# Altium PCB eRTM15_Baikal.PcbDoc (part 6 of 7)
Units mm, origin at the board's own origin, x right, y up, seen from the top; angles counter-clockwise.
Board outline 161.5 x 148.5 mm, 8 copper layers (Top Layer, RF_Layer_1, GND_PWR_Plane, RF_Layer_3, RF_Layer_4, GND_PWR_Plane_2, RF_Layer_6, Bottom Layer), stack 1.462 mm thick; 749 components, 528 nets, 2540 pads, 2420 vias.
Unrouted connection lines stored in the file: 24.
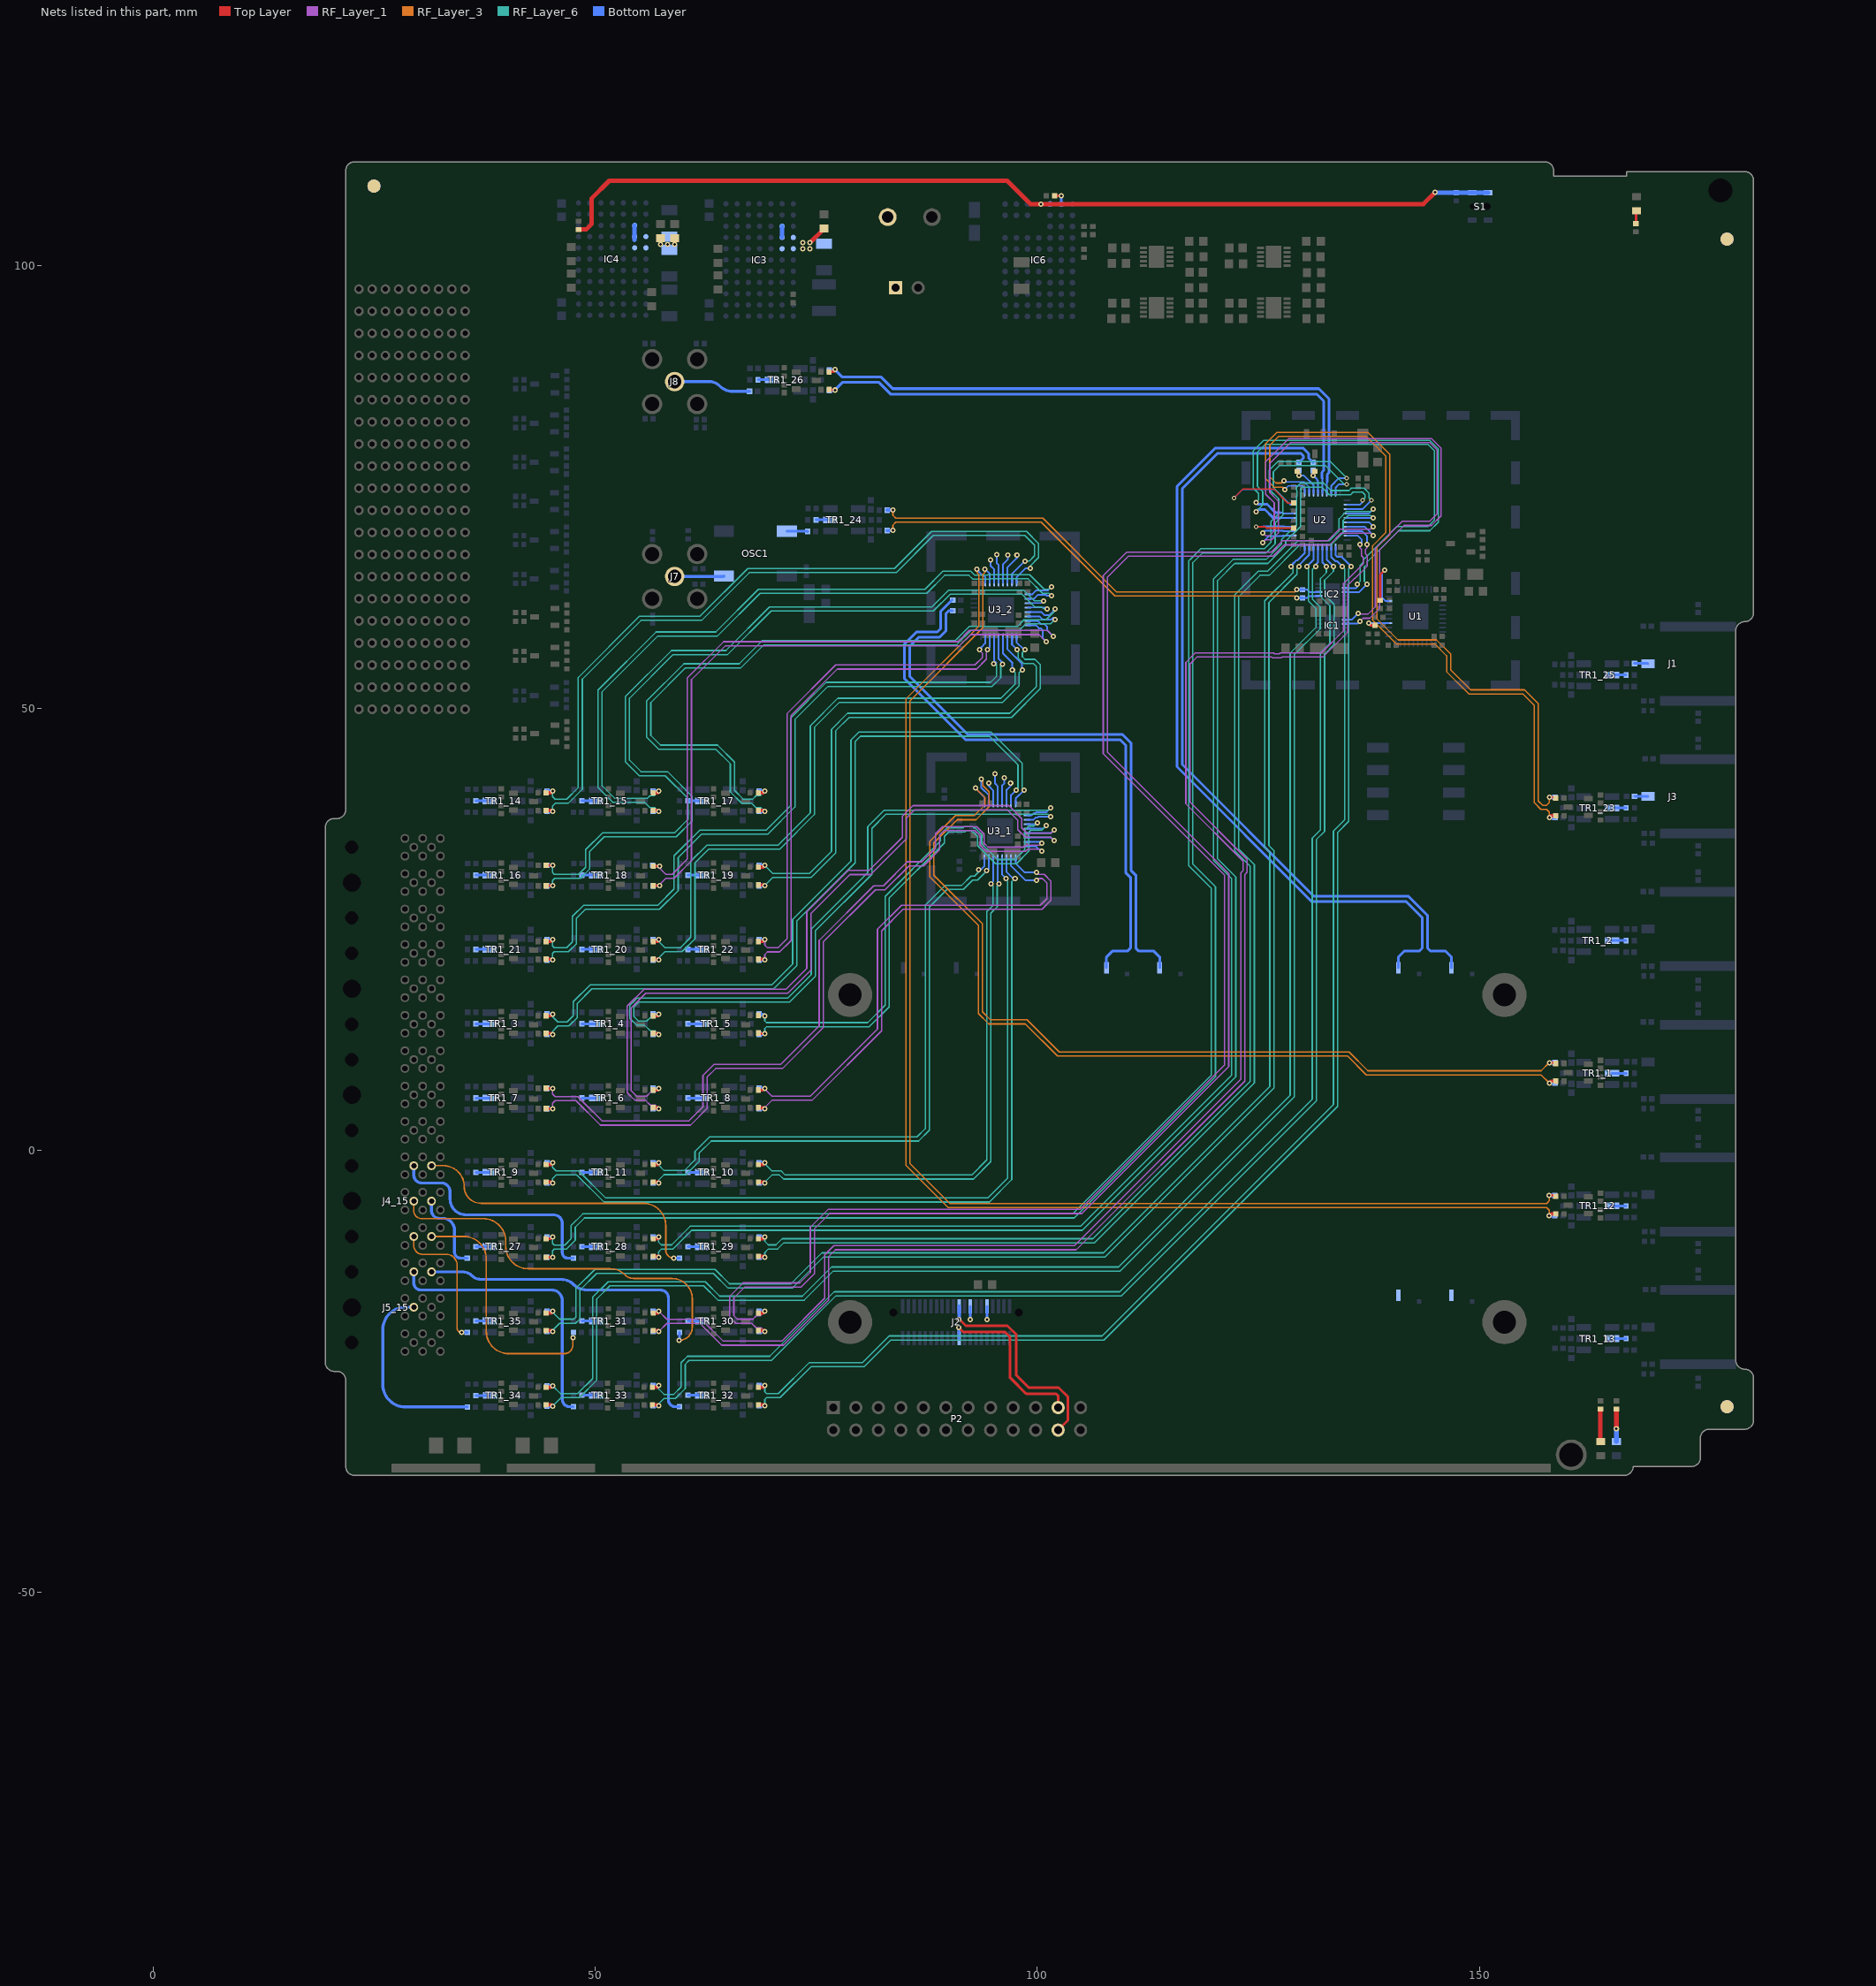
[diagram p12: the nets of this part, all layers, seen from the top]

## Via types
v1: diameter 0.6, hole 0.3, Top Layer to Bottom Layer, 2289 vias
v2: diameter 0.6, hole 0.3, Top Layer to Bottom Layer, tented both sides, 49 vias
v3: diameter 0.5, hole 0.2, Top Layer to Bottom Layer, 36 vias
v4: diameter 0.5, hole 0.3, Top Layer to Bottom Layer, 34 vias
v5: diameter 0.5, hole 0.3, Top Layer to Bottom Layer, tented both sides, 12 vias

## Nets (pads, with @x,y where several pads share a name; then routed paths per layer and width w, separated by ;. In a path a pad name is that pad's centre, name@x,y a point inside that pad or via, vN(x,y) a via of type N, cw(c..) or ccw(c..) an arc to the next point about the centre after c; other vN are vias at no path point) (continued)
NetIC6_L6: IC6.L6 R31.2 | length 1.7
  Top Layer w0.3: R31.2@101.97,107.9 v1(102.7,107.9)
  Bottom Layer w0.3: v1(102.7,107.9) 102.72,107.88 IC6.L6@102.72,106.97
NetJ7_1: J7.1 OSC1.1 | length 5.6
  Bottom Layer w0.33: J7.1@59.003,64.87 64.54,64.87 OSC1.1@64.575,64.905
NetJ17_1: J17.1 P1.1
NetLED0_2: LED0.2 R6.2 | length 1.5
  Top Layer w0.3: R6.2@167.7,104.77 167.7,106.15 LED0.2@167.75,106.2
NetLED1_2: LED1.2 R4.2 | length 3.7
  Top Layer w0.5: v1(165.5,-31.5) R4.2@165.5,-29.27
  Bottom Layer w0.5: LED1.2@165.5,-32.95 v1(165.5,-31.5)
NetLED2_2: LED2.2 R2.2 | length 3.7
  Top Layer w0.5: R2.2@163.7,-29.27 163.7,-32.925 LED2.2@163.725,-32.95
NetR1_1_1: R1_1.1 TR1_1.2 | length 1.6
  Bottom Layer w0.3: TR1_1.2@164.99,8.7 R1_1.1@166.6,8.7
NetR1_2_1: R1_2.1 TR1_2.2 | length 1.6
  Bottom Layer w0.3: TR1_2.2@164.985,23.7 R1_2.1@166.595,23.7
NetR1_3_1: R1_3.1 TR1_3.2 | length 1.6
  Bottom Layer w0.3: R1_3.1@36.505,14.3 TR1_3.2@38.115,14.3
NetR1_4_1: R1_4.1 TR1_4.2 | length 1.6
  Bottom Layer w0.3: R1_4.1@48.505,14.3 TR1_4.2@50.115,14.3
NetR1_5_1: R1_5.1 TR1_5.2 | length 1.6
  Bottom Layer w0.3: R1_5.1@60.505,14.3 TR1_5.2@62.115,14.3
NetR1_6_1: R1_6.1 TR1_6.2 | length 1.6
  Bottom Layer w0.3: R1_6.1@48.505,5.9 TR1_6.2@50.115,5.9
NetR1_7_1: R1_7.1 TR1_7.2 | length 1.6
  Bottom Layer w0.3: R1_7.1@36.505,5.9 TR1_7.2@38.115,5.9
NetR1_8_1: R1_8.1 TR1_8.2 | length 1.6
  Bottom Layer w0.3: R1_8.1@60.505,5.9 TR1_8.2@62.115,5.9
NetR1_9_1: R1_9.1 TR1_9.2 | length 1.6
  Bottom Layer w0.3: R1_9.1@36.505,-2.5 TR1_9.2@38.115,-2.5
NetR1_10_1: R1_10.1 TR1_10.2 | length 1.6
  Bottom Layer w0.3: R1_10.1@60.505,-2.5 TR1_10.2@62.115,-2.5
NetR1_11_1: R1_11.1 TR1_11.2 | length 1.6
  Bottom Layer w0.3: R1_11.1@48.505,-2.5 TR1_11.2@50.115,-2.5
NetR1_12_1: R1_12.1 TR1_12.2 | length 1.6
  Bottom Layer w0.3: TR1_12.2@164.985,-6.3 R1_12.1@166.595,-6.3
NetR1_13_1: R1_13.1 TR1_13.2 | length 1.6
  Bottom Layer w0.3: TR1_13.2@164.99,-21.3 R1_13.1@166.6,-21.3
NetR1_14_1: R1_14.1 TR1_14.2 | length 1.6
  Bottom Layer w0.3: R1_14.1@36.505,39.5 TR1_14.2@38.115,39.5
NetR1_15_1: R1_15.1 TR1_15.2 | length 1.6
  Bottom Layer w0.3: R1_15.1@48.505,39.5 TR1_15.2@50.115,39.5
NetR1_16_1: R1_16.1 TR1_16.2 | length 1.6
  Bottom Layer w0.3: R1_16.1@36.505,31.1 TR1_16.2@38.115,31.1
NetR1_17_1: R1_17.1 TR1_17.2 | length 1.6
  Bottom Layer w0.3: R1_17.1@60.505,39.5 TR1_17.2@62.115,39.5
NetR1_18_1: R1_18.1 TR1_18.2 | length 1.6
  Bottom Layer w0.3: R1_18.1@48.505,31.1 TR1_18.2@50.115,31.1
NetR1_19_1: R1_19.1 TR1_19.2 | length 1.6
  Bottom Layer w0.3: R1_19.1@60.505,31.1 TR1_19.2@62.115,31.1
NetR1_20_1: R1_20.1 TR1_20.2 | length 1.6
  Bottom Layer w0.3: R1_20.1@48.505,22.7 TR1_20.2@50.115,22.7
NetR1_21_1: R1_21.1 TR1_21.2 | length 1.6
  Bottom Layer w0.3: R1_21.1@36.505,22.7 TR1_21.2@38.115,22.7
NetR1_22_1: R1_22.1 TR1_22.2 | length 1.6
  Bottom Layer w0.3: R1_22.1@60.505,22.7 TR1_22.2@62.115,22.7
NetR1_23_1: R1_23.1 TR1_23.2 | length 1.6
  Bottom Layer w0.3: TR1_23.2@164.99,38.7 R1_23.1@166.6,38.7
NetR1_24_1: R1_24.1 TR1_24.2 | length 1.6
  Bottom Layer w0.3: R1_24.1@74.99,71.27 TR1_24.2@76.6,71.27
NetR1_25_1: R1_25.1 TR1_25.2 | length 1.6
  Bottom Layer w0.3: TR1_25.2@164.98,53.73 R1_25.1@166.59,53.73
NetR1_26_1: R1_26.1 TR1_26.2 | length 1.6
  Bottom Layer w0.3: R1_26.1@68.43,87.1 TR1_26.2@70.04,87.1
NetR1_27_1: R1_27.1 TR1_27.2 | length 1.6
  Bottom Layer w0.3: R1_27.1@36.505,-10.9 TR1_27.2@38.115,-10.9
NetR1_28_1: R1_28.1 TR1_28.2 | length 1.6
  Bottom Layer w0.3: R1_28.1@48.505,-10.9 TR1_28.2@50.115,-10.9
NetR1_29_1: R1_29.1 TR1_29.2 | length 1.6
  Bottom Layer w0.3: R1_29.1@60.505,-10.9 TR1_29.2@62.115,-10.9
NetR1_30_1: R1_30.1 TR1_30.2 | length 1.6
  Bottom Layer w0.3: R1_30.1@60.505,-19.3 TR1_30.2@62.115,-19.3
NetR1_31_1: R1_31.1 TR1_31.2 | length 1.6
  Bottom Layer w0.3: R1_31.1@48.505,-19.3 TR1_31.2@50.115,-19.3
NetR1_32_1: R1_32.1 TR1_32.2 | length 1.6
  Bottom Layer w0.3: R1_32.1@60.505,-27.7 TR1_32.2@62.115,-27.7
NetR1_33_1: R1_33.1 TR1_33.2 | length 1.6
  Bottom Layer w0.3: R1_33.1@48.505,-27.7 TR1_33.2@50.115,-27.7
NetR1_34_1: R1_34.1 TR1_34.2 | length 1.6
  Bottom Layer w0.3: R1_34.1@36.51,-27.73 TR1_34.2@38.12,-27.73
NetR1_35_1: R1_35.1 TR1_35.2 | length 1.6
  Bottom Layer w0.3: R1_35.1@36.505,-19.3 TR1_35.2@38.115,-19.3
NetR7_2: R7.2 U1.4 | length 3.1
  Top Layer w0.3: v1(137.5,59.6) 137.5,59.52 137.69,59.33 R7.2@138.2,59.33
  Bottom Layer w0.2: v1(137.5,59.6) U1.4@139.75,59.6
NetR9_2: R9.2 U1.9 | length 7.8
  Top Layer w0.3: R9.2@138.8,62.17 138.8,65.1 v1(139.3,65.6)
  Bottom Layer w0.2: v1(139.3,65.6) 139,65.3 139,62.484 139.384,62.1 U1.9@139.75,62.1
NetR13_2: R13.2 U2.4 | length 8.5
  Top Layer w0.17: v4(124.75,70.5) 124.765,70.485 125.784,70.485 125.939,70.33 R13.2@129,70.33
  Bottom Layer w0.17: v4(124.75,70.5) 125.514,70.5 125.549,70.535 127.951,70.535 127.986,70.5 U2.4@128.95,70.5
NetR39_2: R39.2 U2.9 | length 15.6
  Top Layer w0.17: v4(122.25,73.75) 123.25,74.75 126.75,74.75 128.33,73.17 R39.2@129,73.17
  Bottom Layer w0.17: v4(122.25,73.75) 123.2,74.7 126.906,74.7 128.606,73 U2.9@128.95,73
Osc_out: C17_24.2 OSC1.3 | length 2.4
  Bottom Layer w0.33: OSC1.3@71.685,69.985 74.025,69.985 C17_24.2@74.04,69.97
Q2_0_1_N: C12_11.1 R22_10.1 U3_1.38 | length 70.1
  Top Layer w0.381: R22_10.1@56.57,-3.6 57.095,-3.6 v1(57.195,-3.7)
  RF_Layer_6 w0.16: v1(57.195,-3.7) 57.195,-3.365 57.8,-2.76 60.291,-2.76 61.76,-1.291 61.76,-0.34 63.14,1.04 86.591,1.04 87.8,2.249 87.8,27.5 89.8,29.5 91.66,29.5 92.7,30.54 93.24,30.54 v2(94.3,31.6)
  Bottom Layer w0.2: v2(94.3,31.6) 94.55,31.85 U3_1.38@94.55,33.05
  Bottom Layer w0.381: C12_11.1@56.555,-3.7 v1(57.195,-3.7)
Q2_0_1_P: C7_11.1 R21_10.1 U3_1.39 | length 69.3
  Top Layer w0.381: R21_10.1@56.57,-1.6 v1@57.1,-1.6
  RF_Layer_6 w0.16: v1(57.195,-1.4) 57.195,-1.695 57.8,-2.3 60.1,-2.3 61.3,-1.1 61.3,-0.149 62.949,1.5 86.4,1.5 87.34,2.44 87.34,27.691 89.609,29.96 91.469,29.96 92.509,31 92.9,31 v2@93.4,31.5 ; v2(93.4,31.7) v2@93.4,31.5 ; v2@93.5,31.6 v2@93.4,31.5
  Bottom Layer w0.2: v2@93.5,31.6 94.05,32.15 U3_1.39@94.05,33.05
  Bottom Layer w0.381: C7_11.1@56.555,-1.4 v1(57.195,-1.4)
Q2_0_2_N: C12_22.1 R22_20.1 U3_2.38 | length 58.5
  Top Layer w0.381: R22_20.1@68.47,21.6 69.095,21.6 v1(69.195,21.5)
  RF_Layer_1 w0.16: v1(69.195,21.5) 69.195,22.115 69.5,22.42 70.871,22.42 72.16,23.709 72.16,49.16 77.4,54.4 93.151,54.4 94.26,55.509 94.26,56.46 v2(94.4,56.6)
  Bottom Layer w0.2: v2(94.4,56.6) 94.65,56.85 U3_2.38@94.65,58.05
  Bottom Layer w0.381: C12_22.1@68.555,21.5 v1(69.195,21.5)
Q2_0_2_P: C7_22.1 R21_20.1 U3_2.39 | length 57.8
  Top Layer w0.381: R21_20.1@68.47,23.6 v1@69,23.6
  RF_Layer_1 w0.16: v1(69.195,23.8) 69.195,23.185 69.5,22.88 70.68,22.88 71.7,23.9 71.7,49.351 77.209,54.86 92.96,54.86 93.8,55.7 93.8,56.2 93.5,56.5 v2(93.5,56.6)
  Bottom Layer w0.2: v2(93.5,56.6) 93.6,56.6 93.7,56.7 93.7,56.89 94.11,57.3 94.15,57.3 U3_2.39@94.15,58.05
  Bottom Layer w0.381: C7_22.1@68.555,23.8 v1(69.195,23.8)
Q2_0_N: C12_35.1 R22_43.1 U2.38 | length 161
  Top Layer w0.381: R22_43.1@44.47,-20.4 45.095,-20.4 v1(45.195,-20.5)
  RF_Layer_6 w0.16: v1(45.195,-20.5) 45.195,-20.365 46,-19.56 47.791,-19.56 48.3,-19.051 48.3,-15.8 50.175,-13.925 63.375,-13.925 65.009,-15.56 72.34,-15.56 75.84,-12.06 107.691,-12.06 126.76,7.009 126.76,33.891 126.2,34.451 126.2,61.929 129.38,65.109 129.38,65.78 v1(129.6,66)
  Bottom Layer w0.2: v1@129.479,66.021 130.75,67.293 U2.38@130.75,68.2
  Bottom Layer w0.381: C12_35.1@44.555,-20.5 v1(45.195,-20.5)
Q2_0_P: C7_35.1 R21_43.1 U2.39 | length 160.2
  Top Layer w0.381: R21_43.1@44.47,-18.4 v1@45,-18.4
  RF_Layer_6 w0.16: v1(45.195,-18.2) 45.195,-18.295 46,-19.1 47.6,-19.1 47.84,-18.86 47.84,-15.609 49.984,-13.465 63.565,-13.465 65.2,-15.1 72.149,-15.1 75.649,-11.6 107.5,-11.6 126.3,7.2 126.3,33.7 125.74,34.26 125.74,62.12 128.92,65.3 128.92,65.78 v1(128.7,66)
  Bottom Layer w0.2: v1(128.7,66) 128.75,66 128.9,66.15 128.9,66.29 129.31,66.7 129.45,66.7 130.25,67.5 U2.39@130.25,68.2
  Bottom Layer w0.381: C7_35.1@44.555,-18.2 v1(45.195,-18.2)
Q2_1_1_N: C12_10.1 R22_5.1 U3_1.36 | length 63.2
  Top Layer w0.381: R22_5.1@68.47,-3.6 69.095,-3.6 v1(69.195,-3.7)
  RF_Layer_6 w0.16: v1(69.195,-3.7) 69.195,-3.605 70,-2.8 70.849,-2.8 71.309,-3.26 92.791,-3.26 94.76,-1.291 94.76,26.789 95.48,27.509 95.48,29.88 v2(95.7,30.1)
  Bottom Layer w0.2: U3_1.36@95.55,33.05 95.55,30.35 95.7,30.2 v2(95.7,30.1)
  Bottom Layer w0.381: C12_10.1@68.555,-3.7 v1(69.195,-3.7)
Q2_1_1_P: C7_10.1 R21_5.1 U3_1.37 | length 62.3
  Top Layer w0.381: R21_5.1@68.47,-1.6 v1@69,-1.6
  RF_Layer_6 w0.16: v1(69.195,-1.4) 69.195,-1.535 70,-2.34 71.04,-2.34 71.5,-2.8 92.6,-2.8 94.3,-1.1 94.3,26.98 95.02,27.7 95.02,29.88 v2(94.8,30.1)
  Bottom Layer w0.2: v2(94.8,30.1) 94.807,30.1 94.807,30.197 95.05,30.44 U3_1.37@95.05,33.05
  Bottom Layer w0.381: C7_10.1@68.555,-1.4 v1(69.195,-1.4)
Q2_1_2_N: C12_21.1 R22_15.1 U3_2.36 | length 80.4
  Top Layer w0.381: R22_15.1@44.47,21.6 45.095,21.6 v1(45.195,21.5)
  RF_Layer_6 w0.16: v1(45.195,21.5) 45.195,22.235 45.4,22.44 46.991,22.44 47.9,23.349 47.9,26.24 48.9,27.24 57.291,27.24 59.4,29.349 59.4,33.1 62.04,35.74 69.54,35.74 72.6,38.8 72.6,48.7 76.34,52.44 94.911,52.44 95.88,53.409 95.88,54.88 95.927,54.927 v2(96.1,54.927)
  Bottom Layer w0.2: U3_2.36@95.65,58.05 95.65,55.55 96.1,55.1 v2(96.1,54.927)
  Bottom Layer w0.381: C12_21.1@44.555,21.5 v1(45.195,21.5)
Q2_1_2_P: C7_21.1 R21_15.1 U3_2.37 | length 79.3
  Top Layer w0.381: R21_15.1@44.47,23.6 v1@45,23.6
  RF_Layer_6 w0.16: v1(45.195,23.8) 45.195,23.105 45.4,22.9 46.8,22.9 47.44,23.54 47.44,26.431 48.709,27.7 57.1,27.7 58.94,29.54 58.94,33.291 61.849,36.2 69.349,36.2 72.14,38.991 72.14,48.891 76.149,52.9 94.72,52.9 95.42,53.6 95.42,54.88 95.3,55 v2(95.1,55)
  Bottom Layer w0.2: U3_2.37@95.15,58.05 95.15,55.343 95.396,55.096
  Bottom Layer w0.381: C7_21.1@44.555,23.8 v1(45.195,23.8)
Q2_1_N: C12_34.1 R22_38.1 U2.36 | length 170.5
  Top Layer w0.381: R22_38.1@44.5,-28.8 45.07,-28.8 v1(45.2,-28.93)
  RF_Layer_6 w0.16: v1(45.2,-28.93) 46.17,-27.96 48.24,-27.96 50.2,-26 50.2,-16.8 51.675,-15.325 62.275,-15.325 63.909,-16.96 73.64,-16.96 76.94,-13.66 109.391,-13.66 129.06,6.009 129.06,56.009 132,58.949 132,61.421 131.13,62.291 131.13,65.668 131.3,65.838 v1@131.3,66
  Bottom Layer w0.2: v1@131.3,66 131.75,66.45 U2.36@131.75,68.2
  Bottom Layer w0.381: C12_34.1@44.56,-28.93 v1(45.2,-28.93)
  other v1: 131.5,66
Q2_1_P: C7_34.1 R21_38.1 U2.37 | length 169.8
  Top Layer w0.381: R21_38.1@44.47,-26.8 v1@45,-26.8 ; v1@45.03,-26.8 v1(45.2,-26.63)
  RF_Layer_6 w0.16: v1(45.2,-26.63) 46.07,-27.5 48.049,-27.5 49.74,-25.809 49.74,-16.609 51.484,-14.865 62.465,-14.865 64.1,-16.5 73.449,-16.5 76.749,-13.2 109.2,-13.2 128.6,6.2 128.6,56.2 131.54,59.14 131.54,61.23 130.67,62.1 130.67,65.83 v1(130.5,66)
  Bottom Layer w0.2: v1(130.5,66) 131.25,66.75 U2.37@131.25,68.2
  Bottom Layer w0.381: C7_34.1@44.56,-26.63 v1(45.2,-26.63)
Q2_2_1_N: C12_9.1 R22_9.1 U3_1.34 | length 93.1
  Top Layer w0.381: R22_9.1@44.47,-3.6 45.095,-3.6 v1(45.195,-3.7)
  RF_Layer_6 w0.16: v1(45.195,-3.7) 45.195,-3.205 45.6,-2.8 47.949,-2.8 51.009,-5.86 94.591,-5.86 97.13,-3.321 97.13,30.368 97.3,30.538 v2@97.3,30.7
  Bottom Layer w0.2: U3_1.34@96.55,33.05 96.55,31.45 v2@97.3,30.7
  Bottom Layer w0.381: C12_9.1@44.555,-3.7 v1(45.195,-3.7)
  other v2: 97.5,30.7
Q2_2_1_P: C7_9.1 R21_9.1 U3_1.35 | length 92
  Top Layer w0.381: R21_9.1@44.47,-1.6 v1@45,-1.6
  RF_Layer_6 w0.16: v1(45.195,-1.4) 45.195,-1.935 45.6,-2.34 48.14,-2.34 51.2,-5.4 94.4,-5.4 96.67,-3.13 96.67,30.53 v2(96.5,30.7)
  Bottom Layer w0.2: U3_1.35@96.05,33.05 96.05,31.15 v2(96.5,30.7)
  Bottom Layer w0.381: C7_9.1@44.555,-1.4 v1(45.195,-1.4)
Q2_2_2_N: C12_20.1 R22_19.1 U3_2.34 | length 72.4
  Top Layer w0.381: R22_19.1@56.57,21.6 57.095,21.6 v1(57.195,21.5)
  RF_Layer_6 w0.16: v1(57.195,21.5) 57.195,21.735 57.9,22.44 59.84,22.44 61.3,23.9 61.3,32.5 62.84,34.04 70.891,34.04 74.8,37.949 74.8,47.8 77.64,50.64 96.091,50.64 97.96,52.509 97.96,53.96 v2(98.3,54.3) v2@98.2,54.3
  Bottom Layer w0.2: U3_2.34@96.65,58.05 96.65,56.64 98.29,55 98.29,54.38 98.21,54.3 v2(98.3,54.3)
  Bottom Layer w0.381: C12_20.1@56.555,21.5 v1(57.195,21.5)
Q2_2_2_P: C7_20.1 R21_19.1 U3_2.35 | length 71
  Top Layer w0.381: R21_19.1@56.57,23.6 v1@57.1,23.6
  RF_Layer_6 w0.16: v1(57.195,23.8) 57.195,23.605 57.9,22.9 59.649,22.9 60.84,24.091 60.84,32.691 62.649,34.5 70.7,34.5 74.34,38.14 74.34,47.991 77.449,51.1 95.9,51.1 97.5,52.7 97.5,54 v2(97.2,54.3)
  Bottom Layer w0.2: U3_2.35@96.15,58.05 96.15,56.15 97.2,55.1 ; v2(97.2,54.3) 97.2,55.1
  Bottom Layer w0.381: C7_20.1@56.555,23.8 v1(57.195,23.8)
Q2_2_N: C12_33.1 R22_42.1 U2.34 | length 156.4
  Top Layer w0.381: R22_42.1@56.47,-28.8 57.095,-28.8 v1(57.195,-28.9)
  RF_Layer_6 w0.16: v1(57.195,-28.9) 57.195,-28.665 57.8,-28.06 59.091,-28.06 60.2,-26.951 60.2,-24.2 60.64,-23.76 69.94,-23.76 77.24,-16.46 109.54,-16.46 131.56,5.56 131.56,35.109 132.5,36.049 132.5,56.1 133.56,57.16 133.56,61.731 132.5,62.791 132.5,64.449 133.5,65.449 v1(133.5,66)
  Bottom Layer w0.2: U2.34@132.75,68.2 132.75,66.75 v1(133.5,66)
  Bottom Layer w0.381: C12_33.1@56.555,-28.9 v1(57.195,-28.9)
Q2_2_P: C7_33.1 R21_42.1 U2.35 | length 155.3
  Top Layer w0.381: R21_42.1@56.47,-26.8 v1@57,-26.8
  RF_Layer_6 w0.16: v1(57.195,-26.6) 57.195,-26.995 57.8,-27.6 58.9,-27.6 59.74,-26.76 59.74,-24.009 60.449,-23.3 69.749,-23.3 77.049,-16 109.349,-16 131.1,5.751 131.1,35.3 132.04,36.24 132.04,56.291 133.1,57.351 133.1,61.54 132.04,62.6 132.04,64.64 132.7,65.3 v1(132.7,66)
  Bottom Layer w0.2: U2.35@132.25,68.2 132.25,66.45 v1(132.7,66)
  Bottom Layer w0.381: C7_33.1@56.555,-26.6 v1(57.195,-26.6)
Q2_3_1_N: C12_8.1 R22_4.1 U3_1.32 | length 57.8
  Top Layer w0.381: R22_4.1@68.47,4.8 69.095,4.8 v1(69.195,4.7)
  RF_Layer_1 w0.16: v1(69.195,4.7) 69.195,4.835 70,5.64 74.54,5.64 82.4,13.5 82.4,24.8 84.84,27.24 100.54,27.24 101.56,28.26 101.56,30.411 100.791,31.18 100.12,31.18 v1(99.9,31.4)
  Bottom Layer w0.2: U3_1.32@97.55,33.05 97.55,32.442 98.592,31.4 v1(99.9,31.4)
  Bottom Layer w0.381: C12_8.1@68.555,4.7 v1(69.195,4.7)
Q2_3_1_P: C7_8.1 R21_4.1 U3_1.33 | length 57.1
  Top Layer w0.381: R21_4.1@68.47,6.8 v1@69,6.8
  RF_Layer_1 w0.16: v1(69.195,7) 69.195,6.905 70,6.1 74.349,6.1 81.94,13.691 81.94,24.991 84.649,27.7 100.349,27.7 101.1,28.451 101.1,30.22 100.6,30.72 100.12,30.72 v1(99.9,30.5)
  Bottom Layer w0.2: U3_1.33@97.05,33.05 97.05,32.15 98.7,30.5 v1(99.9,30.5)
  Bottom Layer w0.381: C7_8.1@68.555,7 v1(69.195,7)
Q2_3_2_N: C12_19.1 R22_14.1 U3_2.32 | length 57.7
  Top Layer w0.381: R22_14.1@68.47,30 69.095,30 v1(69.195,29.9)
  RF_Layer_6 w0.16: v1(69.195,29.9) 69.195,29.935 70.1,30.84 74.44,30.84 77.2,33.6 77.2,47.4 78.74,48.94 97.091,48.94 100.36,52.209 100.36,54.891 99.751,55.5 98.626,55.5 98.326,55.8 98.326,56.264 98.492,56.43 v2@98.492,56.6
  Bottom Layer w0.2: U3_2.32@97.65,58.05 97.65,57.442 v2@98.492,56.6
  Bottom Layer w0.381: C12_19.1@68.555,29.9 v1(69.195,29.9)
  other v2: 98.6,56.6
Q2_3_2_P: C7_19.1 R21_14.1 U3_2.33 | length 56.5
  Top Layer w0.381: R21_14.1@68.47,32 v1@69,32
  RF_Layer_6 w0.16: v1(69.195,32.2) 70.095,31.3 74.249,31.3 76.74,33.791 76.74,47.591 78.549,49.4 96.9,49.4 99.9,52.4 99.9,54.7 99.56,55.04 98.435,55.04 97.866,55.609 97.866,56.434 v2(97.7,56.6)
  Bottom Layer w0.2: U3_2.33@97.15,58.05 97.15,57.15 v2(97.7,56.6)
  Bottom Layer w0.381: C7_19.1@68.555,32.2 v1(69.195,32.2)
Q2_3_N: C12_32.1 R22_37.1 U2.32 | length 145.5
  Top Layer w0.381: R22_37.1@68.47,-28.8 69.095,-28.8 v1(69.195,-28.9)
  RF_Layer_6 w0.16: v1(69.195,-28.9) 69.195,-28.185 69.4,-27.98 70.92,-27.98 74.44,-24.46 80.44,-24.46 83.44,-21.46 107.54,-21.46 133.96,4.96 133.96,35.909 135.23,37.179 135.23,65.73 v1(135.5,66)
  Bottom Layer w0.2: U2.32@133.75,68.2 133.75,67.257 133.907,67.1 134.4,67.1 v1(135.5,66)
  Bottom Layer w0.381: C12_32.1@68.555,-28.9 v1(69.195,-28.9)
Q2_3_P: C7_32.1 R21_37.1 U2.33 | length 144.1
  Top Layer w0.381: R21_37.1@68.47,-26.8 v1@69,-26.8
  RF_Layer_6 w0.16: v1(69.195,-26.6) 69.195,-27.315 69.4,-27.52 70.729,-27.52 74.249,-24 80.249,-24 83.249,-21 107.349,-21 133.5,5.151 133.5,36.1 134.77,37.37 134.77,65.73 v1(134.5,66)
  Bottom Layer w0.2: U2.33@133.25,68.2 133.25,67.05 133.7,66.6 133.9,66.6 v1(134.5,66)
  Bottom Layer w0.381: C7_32.1@68.555,-26.6 v1(69.195,-26.6)
Q2_4_1_N: C7_7.1 R22_8.1 U3_1.28 | length 84.7
  Top Layer w0.3: R22_8.1@44.47,7 v1(45.2,7) v1@45.3,7
  RF_Layer_1 w0.16: v1(45.2,7) 45.2,6.36 45.5,6.06 48.04,6.06 50.8,3.3 60.6,3.3 62.2,4.9 62.2,8.451 63.449,9.7 71,9.7 75.34,14.04 75.34,23.731 81.509,29.9 82.6,29.9 85.309,32.609 86.959,32.609 88.5,34.151 88.5,35.8 89.3,36.6 93.15,36.6 94,35.75 94,34.691 94.431,34.26 98.489,34.26 98.709,34.48 100.28,34.48 v2(100.5,34.7)
  Bottom Layer w0.2: U3_1.28@98.85,34.85 100.35,34.85 v2(100.5,34.7)
  Bottom Layer w0.3: C7_7.1@44.555,7 v1(45.2,7)
Q2_4_1_P: C12_7.1 R21_8.1 U3_1.29 | length 84.7
  Top Layer w0.3: R21_8.1@44.47,4.7 v1(45.2,4.7)
  RF_Layer_1 w0.16: v1(45.2,4.7) 45.2,5.3 45.5,5.6 47.849,5.6 50.609,2.84 60.791,2.84 62.66,4.709 62.66,8.26 63.64,9.24 71.191,9.24 75.8,13.849 75.8,23.54 81.7,29.44 82.791,29.44 85.5,32.149 87.149,32.149 88.96,33.96 88.96,35.609 89.491,36.14 92.959,36.14 93.54,35.559 93.54,34.5 94.24,33.8 98.68,33.8 98.9,34.02 100.28,34.02 v2(100.5,33.8)
  Bottom Layer w0.2: U3_1.29@98.85,34.35 99.86,34.35 100.21,34 100.3,34 v2(100.5,33.8)
  Bottom Layer w0.3: C12_7.1@44.555,4.7 v1(45.2,4.7)
Q2_4_2_N: C7_18.1 R22_18.1 U3_2.28 | length 73.9
  Top Layer w0.3: R22_18.1@56.57,32.1 v1(57.3,32.1)
  RF_Layer_1 w0.16: v1(57.3,32.1) 57.3,31.9 58,31.2 58.734,31.2 60.44,32.906 60.44,53.391 64.549,57.5 91.049,57.5 92.309,58.76 101.14,58.76 v1(101.8,58.1)
  Bottom Layer w0.2: U3_2.28@98.95,59.85 100.046,59.85 100.396,59.5 100.8,59.5 101.1,59.2 101.1,58.8 v1(101.8,58.1)
  Bottom Layer w0.3: C7_18.1@56.655,32.1 v1(57.3,32.1)
Q2_4_2_P: C12_18.1 R21_18.1 U3_2.29 | length 72.7
  Top Layer w0.3: R21_18.1@56.57,29.9 v1(57.3,29.9)
  RF_Layer_1 w0.16: v1(57.3,29.9) 57.3,30.04 58,30.74 58.924,30.74 60.9,32.716 60.9,53.2 64.74,57.04 91.24,57.04 92.5,58.3 100.2,58.3 v1(101,57.5)
  Bottom Layer w0.2: U3_2.29@98.95,59.35 99.838,59.35 100.189,59 100.4,59 100.6,58.8 100.6,57.9 v1(101,57.5)
  Bottom Layer w0.3: C12_18.1@56.555,29.9 v1(57.3,29.9)
Q2_4_N: C12_31.1 R22_41.1 U2.28 | length 168
  Top Layer w0.381: R22_41.1@56.57,-20.4 57.095,-20.4 v1(57.195,-20.5)
  RF_Layer_1 w0.16: v1(57.195,-20.5) 58.115,-19.58 61.846,-19.58 64.316,-22.05 71.311,-22.05 76.431,-16.929 76.431,-12.014 77.193,-11.252 104.41,-11.252 123.472,7.81 123.472,31.16 123.74,31.428 123.74,32.892 117.272,39.36 117.272,54.966 118.059,55.753 126.535,55.753 126.628,55.66 127.572,55.66 127.665,55.753 132.309,55.753 135.105,58.55 135.105,63.867 135.918,64.68 135.978,64.68 137.34,66.042 137.34,67.201 137.137,67.404 137.137,67.945 137.3,68.108 v1(137.3,68.5)